# Altium PCB PCB2.PcbDoc
Units mm, origin at the board's own origin, x right, y up, seen from the top; angles counter-clockwise.
Board outline 98.1 x 71.2 mm, 2 copper layers (Top Layer, Bottom Layer); 76 components, 48 nets, 372 pads, 100 vias.
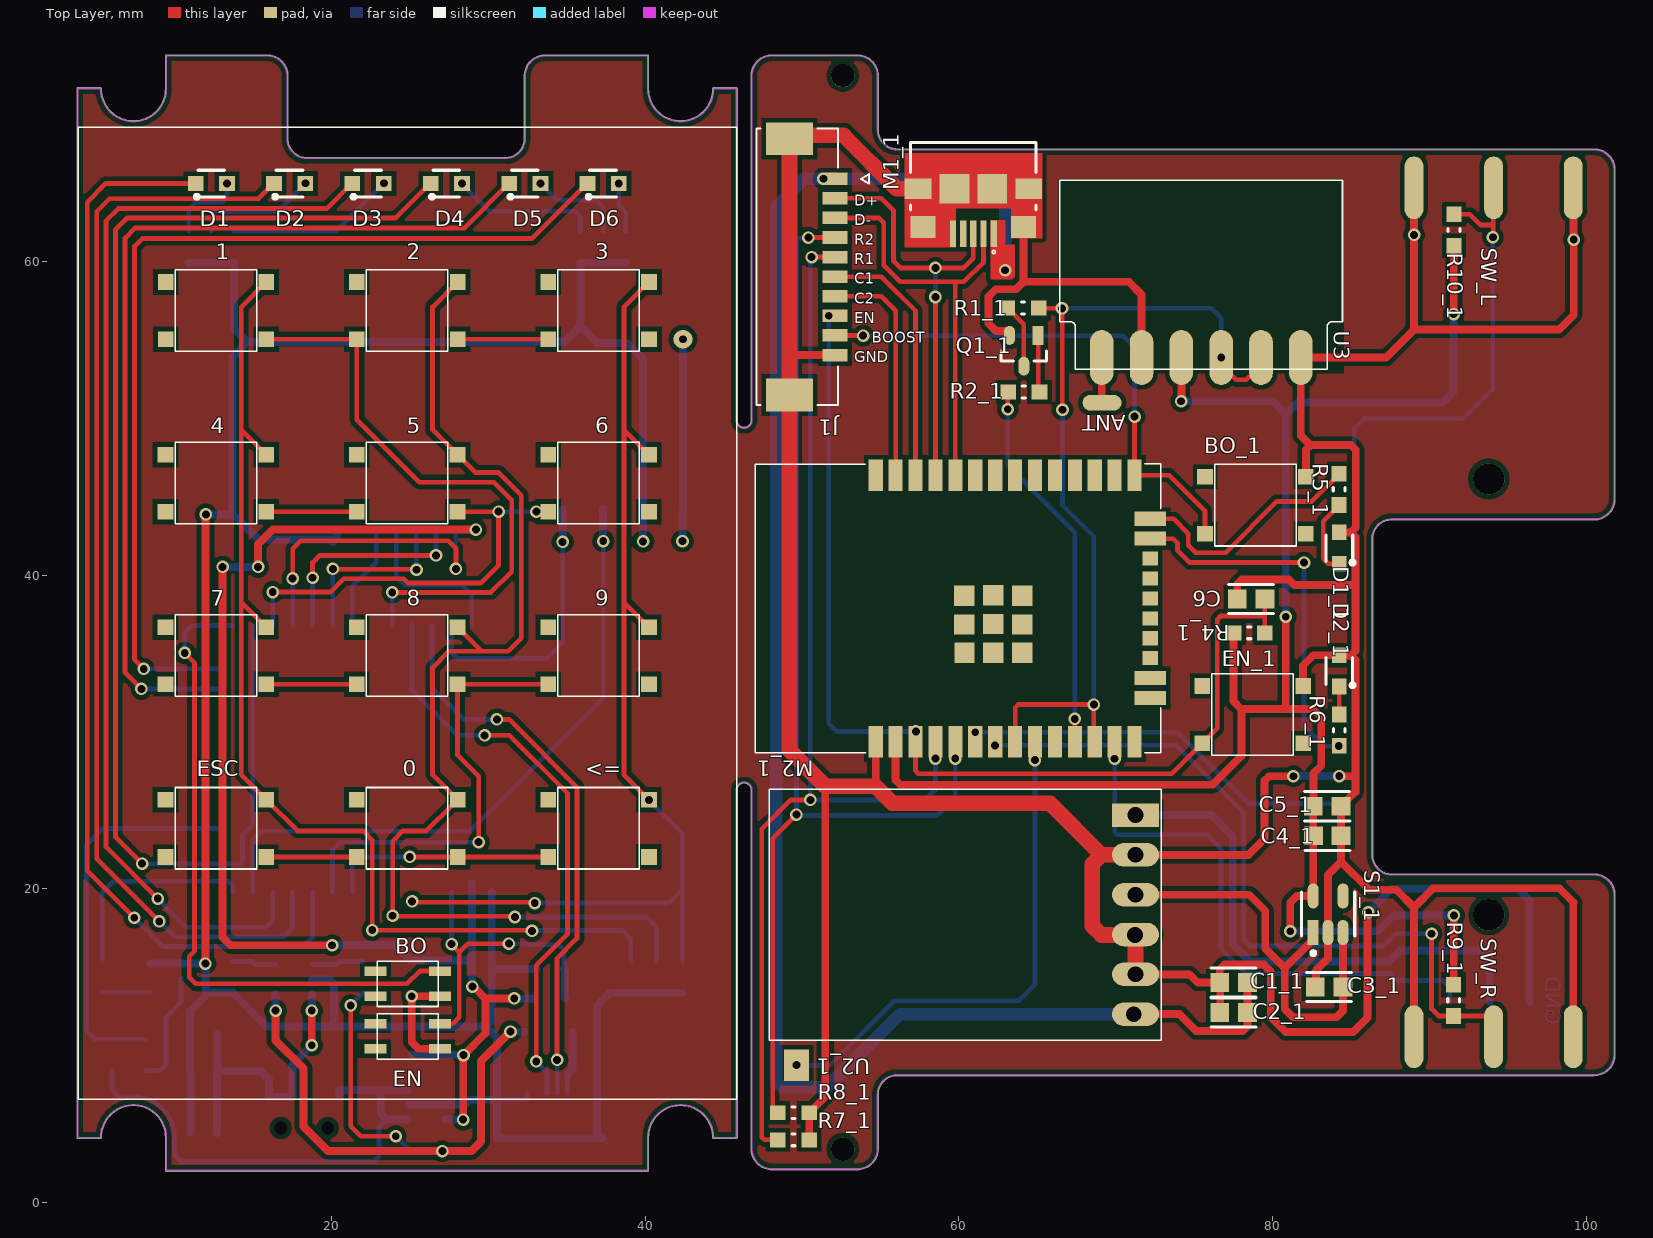
[diagram p0: Top Layer view]
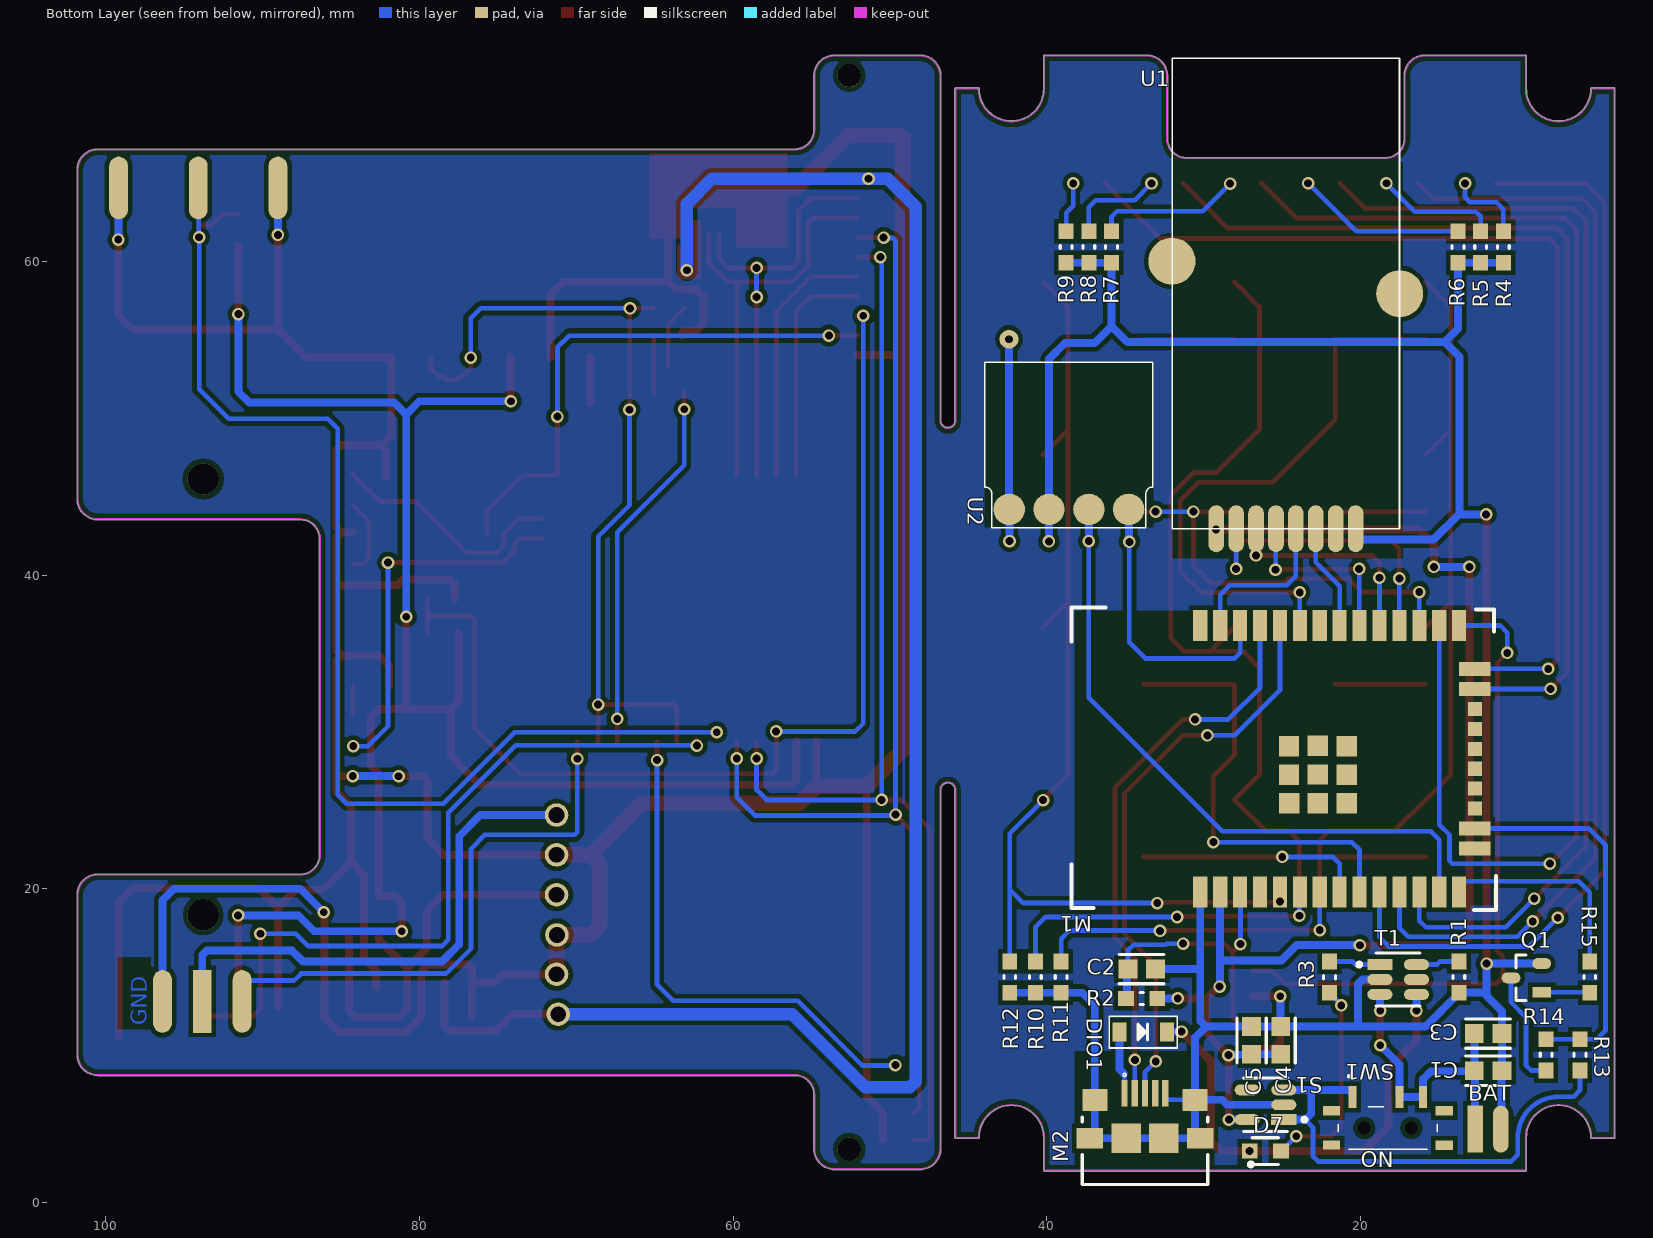
[diagram p1: Bottom Layer view, seen from below]
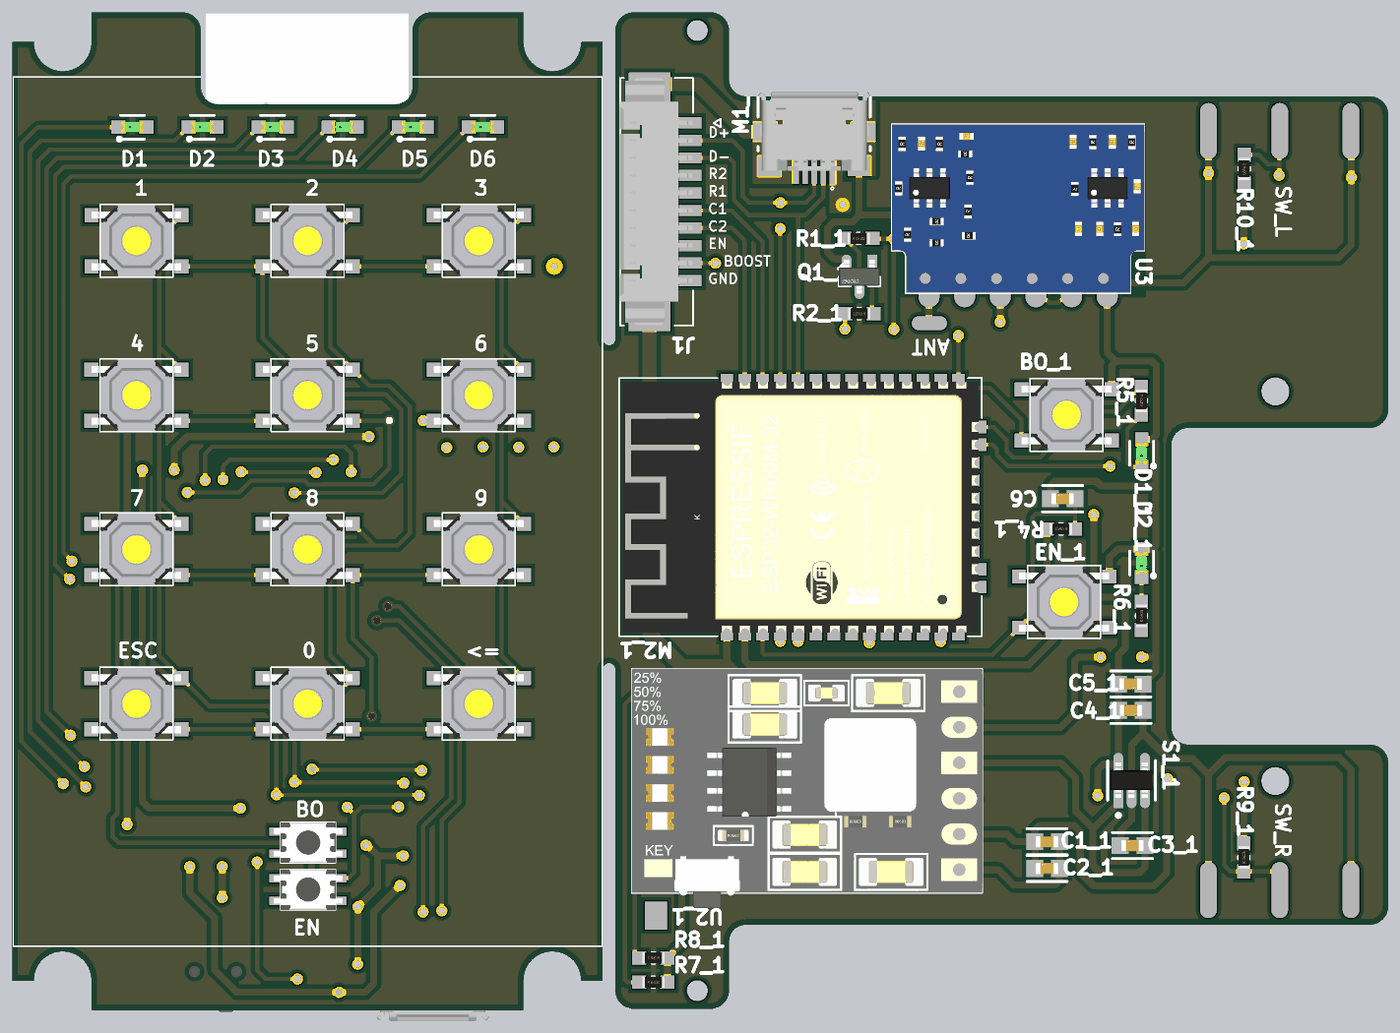
[diagram p2: 3D render of the assembled board from above, using the file's embedded part models]
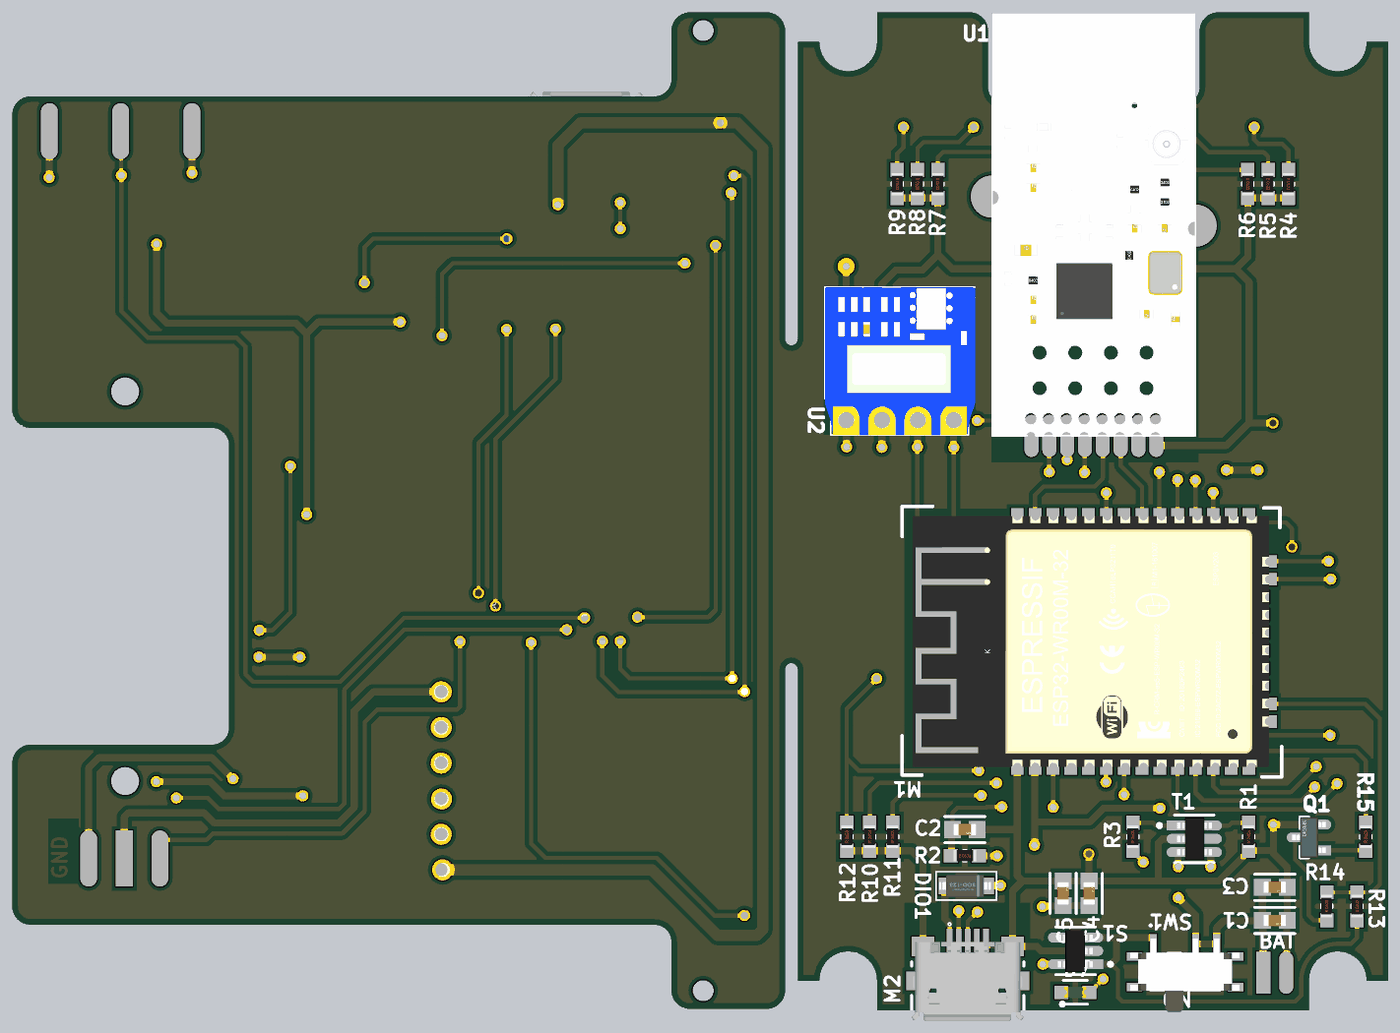
[diagram p3: 3D render of the assembled board from below, using the file's embedded part models]

## Layer stack, top to bottom
Top Solder: solder mask 0.0102, Solder Resist, Dk 3.5
Top Layer: signal copper 0.0356
Dielectric 1: dielectric 0.32, FR-4, Dk 4.8
Bottom Layer: signal copper 0.0356
Bottom Solder: solder mask 0.0102, Solder Resist, Dk 3.5

## Board outline
5.246,4.092 ccw(c5.246,4.142) 5.297,4.142 cw(c7.346,4.142) 9.396,4.142 9.396,2.042 ccw(c9.446,2.042) 9.446,1.992 40.146,1.992 ccw(c40.146,2.042) 40.197,2.042 40.197,4.142 cw(c42.246,4.142) 44.296,4.142 ccw(c44.346,4.142) 44.346,4.092 45.796,4.092 ccw(c45.796,4.142) 45.847,4.142 45.847,26.314 cw(c46.296,26.314) 46.746,26.314 46.746,3.417 ccw(c48.066,3.417) 48.066,2.097 53.526,2.097 ccw(c53.526,3.417) 54.847,3.417 54.847,6.877 cw(c56.066,6.877) 56.066,8.097 100.526,8.097 ccw(c100.526,9.417) 101.847,9.417 101.847,19.627 ccw(c100.526,19.627) 100.526,20.947 87.606,20.947 cw(c87.606,22.167) 86.387,22.167 86.387,42.327 cw(c87.606,42.327) 87.606,43.547 100.526,43.547 ccw(c100.526,44.867) 101.847,44.867 101.847,65.877 ccw(c100.526,65.877) 100.526,67.197 56.067,67.197 cw(c56.067,68.418) 54.847,68.417 54.847,71.872 ccw(c53.526,71.872) 53.526,73.192 48.066,73.192 ccw(c48.066,71.872) 46.746,71.872 46.746,49.886 cw(c46.296,49.886) 45.847,49.886 45.847,71.042 ccw(c45.796,71.042) 45.796,71.092 44.346,71.092 ccw(c44.346,71.042) 44.296,71.042 cw(c42.246,71.042) 40.197,71.042 40.197,73.142 ccw(c40.146,73.142) 40.146,73.192 33.604,73.192 ccw(c33.604,71.872) 32.284,71.872 32.284,67.869 cw(c31.064,67.869) 31.064,66.649 18.415,66.649 cw(c18.415,67.869) 17.195,67.869 17.195,71.872 ccw(c15.875,71.872) 15.875,73.192 9.446,73.192 ccw(c9.446,73.142) 9.396,73.142 9.396,71.042 cw(c7.346,71.042) 5.297,71.042 ccw(c5.246,71.042) 5.246,71.092 3.796,71.092 ccw(c3.796,71.042) 3.746,71.042 3.746,4.142 ccw(c3.796,4.142) 3.796,4.092

## Design rules (kind name [scope] priority, off if disabled: settings)
Clearance [All] p1: gap=0.3 ignorepadtopadclearanceinfootprint=FALSE
PolygonConnect [All] p1: connectstyle=Relief reliefconductorwidth=0.254 reliefentries=4 polygonreliefangle="90 Angle" airgapwidth=0.254
RoomDefinition Sheet2 [InComponentClass('Sheet2')] p1: confinementstyle=ConfineIn formatcopy=TRUE lockcomponents=FALSE outline 0,0 50.8,0 50.8,1.422 0,1.422
RoutingCorners [All] p1: cornerstyle=45-Degree minsetback=5 maxsetback=10
RoutingVias [All] p1: holewidth=0.5 width=0.8 viastyle="Through Hole" minholewidth=0.5 minwidth=0.8 maxholewidth=0.5 maxwidth=0.8
SolderMaskExpansion [All] p1: expansion=0.102 istentingtop=FALSE
Width [All] p1: maxlimit=0.8 minlimit=0.3 preferedwidth=0.5
29 further rules are at their usual default settings.

## Classes and differential pairs
component class Sheet2: 0 1 2 3 4 5 6 7 8 9 <= BO C1 C2 C3 C4 C5 D1 D3 D5 D7 DIO1 EN ESC M2 Q1 R1 R2 R3 R4 R5 R6 R7 R8 R9 R10 R11 R12 R13 R14 R15 S1 SW1 T1 U2

## Components (designator, comment, footprint, x,y, rotation, side; value= is the part's Value field where it differs from the comment)
0 "BUTTON" "BUTTON 4X4mm" 24.805,23.862 r0 top
1 "BUTTON" "BUTTON 4X4mm" 12.605,56.887 r0 top
2 "BUTTON" "BUTTON 4X4mm" 24.805,56.887 r0 top
3 "BUTTON" "BUTTON 4X4mm" 37.01,56.887 r0 top
4 "BUTTON" "BUTTON 4X4mm" 12.6,45.875 r0 top
5 "BUTTON" "BUTTON 4X4mm" 24.8,45.875 r0 top
6 "BUTTON" "BUTTON 4X4mm" 37.005,45.875 r0 top
7 "BUTTON" "BUTTON 4X4mm" 12.6,34.87 r0 top
8 "BUTTON" "BUTTON 4X4mm" 24.8,34.87 r0 top
9 "BUTTON" "BUTTON 4X4mm" 37.005,34.87 r0 top
<= "BUTTON" "BUTTON 4X4mm" 37.005,23.862 r0 top
BO "BUTTON" "BUTTON 3x4mm 4PIN" 24.836,13.919 r180 top
BO_1 "BUTTON" "BUTTON 4X4mm" 78.911,44.467 r0 top (schematic designator BO)
C1 "0.1uF" Cap_0603_A 11.836,8.407 r180 bottom
C1_1 "0.1uF" Cap_0603_A 77.521,14.022 r180 top (schematic designator C1)
C2 "10nF" Cap_0603_A 33.934,14.884 r180 bottom
C2_1 "10uF" Cap_0603_A 77.521,12.117 r180 top (schematic designator C2)
C3 "10uF" Cap_0603_A 11.836,10.77 r180 bottom
C3_1 "10uF" Cap_0603_A 83.611,13.747 r180 top (schematic designator C3)
C4 "0.1uF" Cap_0603_A 25.07,10.338 r90 bottom
C4_1 "0.1uF" Cap_0603_A 83.496,23.397 r0 top (schematic designator C4)
C5 "0.1uF" Cap_0603_A 26.924,10.338 r90 bottom
C5_1 "10uF" Cap_0603_A 83.486,25.27 r0 top (schematic designator C5)
C6 "0.1uF" Cap_0603_A 78.636,38.492 r180 top
D1 "Led" "LED 0603" 12.35,65.023 r0 top
D1_1 "Led" "LED 0603" 84.241,41.782 r90 top (schematic designator D1)
D2 "Led" "LED 0603" 17.35,65.023 r0 top
D2_1 "Led" "LED 0603" 84.238,33.95 r90 top (schematic designator D2)
D3 "Led" "LED 0603" 22.35,65.023 r0 top
D4 "Led" "LED 0603" 27.346,65.023 r0 top
D5 "Led" "LED 0603" 32.35,65.023 r0 top
D6 "Led" "LED 0603" 37.346,65.023 r0 top
D7 "Led" "LED 0603" 26.01,3.302 r180 bottom
DIO1 "Diode SMD" DIO-SMD-123 33.833,10.871 r0 bottom value=1N5007
EN "BUTTON" "BUTTON 3x4mm 4PIN" 24.836,10.566 r180 top
EN_1 "BUTTON" "BUTTON 4X4mm" 78.736,31.117 r0 top (schematic designator EN)
ESC "BUTTON" "BUTTON 4X4mm" 12.6,23.862 r0 top
J1 "Header 10P" "1.25mm Horizontal" 49.737,59.689 r270 top
M1 "ESP32" ESP32-WROOM-32D#1 24.936,28.303 r90 bottom
M1_1 "Micro-USB" "2.0 5 PIN SMD" 60.468,63.99 r180 top (schematic designator M1)
M2 "Micro-USB" "2.0 5 PIN SMD" 33.274,4.775 r180 bottom
M2_1 "ESP32" ESP32-WROOM-32D#2 59.953,37.897 r90 top (schematic designator M2)
Q1 "NPN" FP-SOT23-IPC_C 9.398,14.326 r0 bottom
Q1_1 "NPN" FP-SOT23-IPC_C 64.139,54.329 r270 top (schematic designator Q1)
R1 "1K6" Res_0603 13.691,14.406 r90 bottom
R1_1 "100k" Res_0603 64.113,57.047 r0 top (schematic designator R1)
R2 "200K" Res_0603 33.904,13.005 r180 bottom
R2_1 "100k" Res_0603 64.111,51.706 r180 top (schematic designator R2)
R3 "4K7" Res_0603 21.946,14.402 r90 bottom
R4 "4K7" Res_0603 10.875,60.914 r270 bottom
R4_1 "100K" Res_0603 78.486,36.342 r180 top (schematic designator R4)
R5 "4K7" Res_0603 12.323,60.914 r270 bottom
R5_1 "4K7" Res_0603 84.241,45.457 r270 top (schematic designator R5)
R6 "4K7" Res_0603 13.771,60.914 r270 bottom
R6_1 "4K7" Res_0603 84.266,30.157 r90 top (schematic designator R6)
R7 "4K7" Res_0603 35.869,60.914 r270 bottom
R7_1 "100K" Res_0603 49.483,3.986 r0 top (schematic designator R7)
R8 "4K7" Res_0603 37.317,60.914 r270 bottom
R8_1 "100K" Res_0603 49.483,5.714 r0 top (schematic designator R8)
R9 "4K7" Res_0603 38.765,60.914 r270 bottom
R9_1 "100K" Res_0603 91.565,12.927 r90 top (schematic designator R9)
R10 "200K" Res_0603 40.703,14.406 r90 bottom
R10_1 "100K" Res_0603 91.571,62 r270 top (schematic designator R10)
R11 "200K" Res_0603 39.065,14.406 r90 bottom
R12 "200K" Res_0603 42.342,14.406 r90 bottom
R13 "200K" Res_0603 5.969,9.449 r90 bottom
R14 "200K" Res_0603 8.128,9.449 r90 bottom
R15 "4k7" Res_0603 5.346,14.406 r90 bottom
S1 "SPX3819M5-L-3-3" FP-C04-091-OT-IPC_A 25.933,6.426 r0 bottom
S1_1 "SPX3819M5-L-3-3" FP-C04-091-OT-IPC_A 83.74,18.285 r90 top (schematic designator S1)
SW1 "SWITCH" MSK12C02 18.491,5.004 r180 bottom
T1 "TP4057" TP4057 16.628,14.656 r180 bottom
U1 "nRF24L01" "NRF24L01 + PA SMD" 23.704,60.026 r90 bottom
U2 "H34A" H34A 39.345,47.015 r180 bottom
U2_1 "MH-CD42 2.1A" "MH-CD42 2.1A SMD_1" 48.562,10.92 r0 top (schematic designator U2)
U3 "H3V4F" H3V4F 74.578,59.968 r0 top

## Footprints (in the part's own frame and the unit in brackets; to place one, negate y for a bottom-side part, rotate by r counter-clockwise, add the part's x,y. Pads: shape width x height; smd on the part's side, far side on the other; paste and mask are expansions set on the pad)
"1.25mm Horizontal" [mm] "1.25mm Horizontal SMD"
  rect 0.8x1.6 smd mask+0.076: 1(-5.615,2.35) 2(-4.365,2.35) 3(-3.115,2.35) 4(-1.865,2.35) 5(-0.615,2.35) 6(0.635,2.35) 7(1.885,2.35) 8(3.135,2.35) 9(4.385,2.35) 10(5.635,2.35)
  rect 2.1x3 smd mask+0.076: S1(-8.165,-0.55) S2(8.185,-0.55)
  silkscreen extent -8.81,-2.65 8.83,4.51, body extent -8.83,-2.7 8.82,2.5, height 3.5
"2.0 5 PIN SMD" [mm] "ID 1981568-1"
  rect 0.4x1.7 smd: 1(-1.751,2.198) 2(-1.101,2.198) 3(-0.451,2.198) 4(0.199,2.198) 5(0.849,2.198)
  rect 1.6x1.4 smd: 6(-3.651,1.773) 7(2.749,1.773)
  rect 1.7x1.3 smd: 8(-3.98,-0.68) 9(3.08,-0.68)
  rect 1.9x1.9 smd: 10(-1.651,-0.677) 11(0.749,-0.677)
  silkscreen extent -4.45,-3.63 3.55,3.46, body extent -4.46,-3.52 3.54,2.08, height 2.94
"BUTTON 3x4mm 4PIN" [mm]
  rect 1.4x0.6 smd: 1(-2.05,0.76) 2(-2.05,-0.84) 3(2.05,-0.84) 4(2.05,0.76)
  silkscreen extent -1.95,-1.48 1.95,1.42, body extent -2.46,-1.49 2.44,1.41, height 2
"BUTTON 4X4mm" [mm]
  rect 1x1 smd paste+0: 1(-3.21,1.83) 2(-3.21,-1.82) 3(3.22,-1.82) 4(3.22,1.83)
  silkscreen extent -2.6,-2.59 2.6,2.61, body extent -3.2,-2.55 3.2,2.55, height 1.5
Cap_0603_A [mm]
  rect 1.2x1.2 smd paste+0 mask+0: 1(-0.88,0) 2(0.88,0)
  silkscreen extent -1.43,-0.93 1.43,0.93, body extent -0.8,-0.41 0.8,0.4, height 0.9
DIO-SMD-123 [mm]
  rect 0.9x1.2 smd: 1(1.524,0) 2(-1.524,0)
  silkscreen extent -2.16,-1.02 2.16,1.02, body extent -1.76,-0.8 1.94,0.8, height 1.25
ESP32-WROOM-32D#1 [mm]
  rect 2x0.9 smd: 1(-8.5,5.26) 1(-8.5,5.26) 2(-8.5,3.99) 3(-8.5,2.72) 4(-8.5,1.45) 5(-8.5,0.18) 6(-8.5,-1.09) 7(-8.5,-2.36) 8(-8.5,-3.63) 9(-8.5,-4.9) 10(-8.5,-6.17) 11(-8.5,-7.44) 12(-8.5,-8.71) 13(-8.5,-9.98) 14(-8.5,-11.25) 25(8.5,-11.25) 25(8.5,-11.25) 26(8.5,-9.98) 27(8.5,-8.71) 28(8.5,-7.44) 29(8.5,-6.17) 30(8.5,-4.9) 31(8.5,-3.63) 32(8.5,-2.36) 33(8.5,-1.09) 34(8.5,0.18) 35(8.5,1.45) 36(8.5,2.72) 37(8.5,3.99) 38(8.5,5.26)
  rect 0.9x2 smd: 15(-5.715,-12.25) 15(-5.715,-12.25) 16(-4.445,-12.25) 23(4.445,-12.25) 24(5.715,-12.25)
  rect 0.9x0.9 smd: 17(-3.175,-12.25) 18(-1.905,-12.25) 19(-0.635,-12.25) 20(0.635,-12.25) 21(1.905,-12.25) 22(3.175,-12.25)
  rect 1.3x1.3 smd: 39(-2.835,-4.075) 39(-2.835,-2.24) 39(-2.835,-0.405) 39(-1.03,-4.083) 39(-1.03,-0.397) 39(-1,-2.24) 39(0.805,-4.083) 39(0.805,-0.397) 39(0.835,-2.24)
  silkscreen extent -9.65,-13.59 9.65,13.46, body extent -8.95,-12.7 8.95,12.7, height 2.61
ESP32-WROOM-32D#2 [mm]
  rect 2x0.9 smd: 1(-8.5,5.26) 1(-8.5,5.26) 2(-8.5,3.99) 3(-8.5,2.72) 4(-8.5,1.45) 5(-8.5,0.18) 6(-8.5,-1.09) 7(-8.5,-2.36) 8(-8.5,-3.63) 9(-8.5,-4.9) 10(-8.5,-6.17) 11(-8.5,-7.44) 12(-8.5,-8.71) 13(-8.5,-9.98) 14(-8.5,-11.25) 25(8.5,-11.25) 25(8.5,-11.25) 26(8.5,-9.98) 27(8.5,-8.71) 28(8.5,-7.44) 29(8.5,-6.17) 30(8.5,-4.9) 31(8.5,-3.63) 32(8.5,-2.36) 33(8.5,-1.09) 34(8.5,0.18) 35(8.5,1.45) 36(8.5,2.72) 37(8.5,3.99) 38(8.5,5.26)
  rect 0.9x2 smd: 15(-5.715,-12.25) 15(-5.715,-12.25) 16(-4.445,-12.25) 23(4.445,-12.25) 24(5.715,-12.25)
  rect 0.9x1 smd: 17(-3.175,-12.25) 18(-1.905,-12.25) 19(-0.635,-12.25) 20(0.635,-12.25) 21(1.905,-12.25) 22(3.175,-12.25)
  rect 1.3x1.3 smd: 39(-2.835,-2.24) 39(-2.835,-0.405) 39(-2.835,-4.075) 39(-1.03,-0.397) 39(-1.03,-4.083) 39(-1,-2.24) 39(0.805,-0.397) 39(0.805,-4.083) 39(0.835,-2.24)
  silkscreen extent -9.22,-12.92 9.22,12.94, body extent -8.95,-12.7 8.95,12.7, height 2.61
FP-C04-091-OT-IPC_A [mm]
  rect 1.6x0.7 smd paste+0 mask+0: 1(-1.062,1.143)
  rrect100% 1.6x0.7 smd paste+0 mask+0: 2(-1.062,0.193) 3(-1.062,-0.757) 4(1.27,-0.757) 5(1.27,1.143)
  silkscreen extent -2.51,-1.51 1.5,1.89, body extent -1.12,-1.3 1.38,1.7, height 1.05
FP-SOT23-IPC_C [mm]
  rect 1.2x0.7 smd paste+0 mask+0: 1(-0.977,0.915)
  rrect100% 1.2x0.7 smd paste+0 mask+0: 2(-0.977,-0.915) 3(0.98,0)
  silkscreen extent 0.03,-1.45 0.65,1.45, body extent -1.2,-1.45 1.2,1.45, height 1.1
H3V4F [mm]
  oval 1.5x3.5 smd: 1(7.23,-6.07) 2(4.69,-6.07) 3(2.15,-6.07) 4(-0.39,-6.07) 5(-2.93,-6.07) 6(-5.47,-6.07)
  silkscreen extent -8.14,-6.83 9.89,5.25, body extent -8.1,-6.76 9.9,5.24, height 2.75
H34A [mm]
  round 2 smd: 1(-3.04,-2.8) 2(-0.5,-2.8) 3(2.04,-2.8) 4(4.58,-2.8)
  silkscreen extent -4.59,-3.98 6.11,6.57, body extent -4.56,-3.99 6.14,6.56, height 3.01
"LED 0603" [mm]
  rect 1x0.95 smd: 1(-1.04,-0.02) 2(0.96,-0.02)
  silkscreen extent -1.08,-0.99 0.8,0.82, body extent -1.29,-0.57 1.21,0.53, height 0.25
"MH-CD42 2.1A SMD_1" [mm]
  rect 3x1.5 smd: 1(22.699,13.792)
  oval 3x1.5 smd: 2(22.699,11.252) 3(22.699,8.712) 4(22.699,6.172) 5(22.699,3.632) 6(22.699,1.092)
  rect 1.6x2 smd: 7(1.08,-2.16)
  silkscreen extent -0.66,-0.56 24.34,15.44, body extent -0.65,-1.64 24.35,15.46, height 4.42
MSK12C02 [mm]
  rect 0.5x1.4 smd: A1(-1.99,1.72) B1(1.01,1.72) C1(2.51,1.72)
  round 0.425 hole 0.8 unplated: MH1(-1.246,-0.254) MH2(1.754,-0.254)
  rect 1.1x0.6 smd: MP1(3.86,0.84) MP2(3.86,-1.35) MP3(-3.34,-1.34) MP4(-3.34,0.84)
  silkscreen extent -2.9,-1.6 3.4,3.1, body extent -3.65,-3.1 4.15,2.1, height 1.5
"NRF24L01 + PA SMD" [mm]
  oval 3x1 smd paste+0: 1(-17.05,5.475) 1(-17.05,5.475) 2(-17.05,-3.415) 3(-17.05,4.205) 4(-17.05,2.935) 5(-17.05,1.665) 6(-17.05,0.395) 7(-17.05,-0.875) 8(-17.05,-2.145)
  round 3 smd paste+0: 9(0.02,8.3) 10(-2.05,-6.225)
  silkscreen extent -17.04,-6.21 12.96,8.29, body extent -17.13,-6.19 13.1,8.29, height 1.75
Res_0603 [mm]
  rect 1x0.95 smd: 1(-1.03,0.01) 2(0.97,0.01)
  silkscreen extent -0.13,-0.37 0.07,0.39, body extent -0.82,-0.39 0.78,0.41, height 0.45
TP4057 [mm]
  rect 1.6x0.7 smd paste+0 mask+0: 1(-2.112,0.518)
  rrect100% 1.6x0.7 smd paste+0 mask+0: 2(-2.112,-0.432) 3(-2.112,-1.382) 4(0.22,-1.382) 5(0.22,-0.432) 6(0.22,0.518)
  silkscreen extent -3.56,-2.13 0.45,1.27, body extent -2.17,-1.92 0.33,1.08, height 1.05

## Part data
0 1 2 3 4 5 6 7 8 9 <= BO BO_1 EN EN_1 ESC: library part "BUTTON 4 PIN", Case/Package=SOIC, Frequency=100kHz, High Level Output Current=-200mA, Low Level Output Current=200mA, Max Operating Temperature=70°C, Max Supply Voltage=16V, Min Operating Temperature=0°C, Min Supply Voltage=4.5V, Operating Supply Current=10mA, Package Quantity=2500, Quiescent Current=15mA, Contact Plating=Gold, Height=1.58mm, Lead Free="Lead Free", Length=4.9mm, Mount="Surface Mount", Number of Pins=8, Number of Timers/Counters=1, Packaging="Tape and Reel", Radiation Hardening=No, REACH SVHC="No SVHC", Weight=0.002561oz, Width=3.91mm
C1 C1_1 C2 C2_1 C3 C3_1 C4 C4_1 C5 C5_1 C6: library part Capacitor, "General Purpose Ceramic Capacitor, 0603, 1nF, 10%, X7R, 15%, 50V", Capacitance=1nF, Case Code (Imperial)=0603, Case Code (Metric)=1608, Dielectric=X7R, Dielectric Material=Ceramic, Max Operating Temperature=125°C, Min Operating Temperature=-55°C, Package Quantity=4000, Tolerance=10%, Voltage=50V, Case/Package=0603, Construction=Flat, Contact Plating=Tin, Depth=0.81mm, Height=0.9mm, Lead Free="Lead Free", Length=1.6mm, Mount="Surface Mount", Number of Pins=2, Packaging="Tape and Reel", Radiation Hardening=No, REACH SVHC="No SVHC", RoHS Compliant=Yes, Series=-, Termination=SMD/SMT, Thickness=0.035inch, Voltage Rating=50V, Voltage Rating (DC)=50V, Weight=7.1E-05oz, Width=0.032inch
DIO1: "Default Diode", Code - JEDEC=DO-214-AB, Published=8-Jun-2000, Publisher="Altium Limited", Revision="July-2002: Re-released for DXP Platform."
R1 R1_1 R2 R2_1 R3 R4 R4_1 R5 R5_1 R6 R6_1 R7 R7_1 R8 R8_1 R9 R9_1 R10 R10_1 R11 R12 R13 R14 R15: library part Resistor
S1: "Regulator 250mA"
S1_1: "LINER TO 3.3V SOT23-5", Case/Package=SOT-23, Max Charge Current=500mA, Max Operating Temperature=85°C, Max Output Voltage=4.232V, Max Supply Voltage=6V, Min Operating Temperature=-40°C, Min Output Voltage=4.168V, Min Supply Voltage=3.75V, Output Voltage=4.2V, Package Quantity=3000, Height=1.3mm, Lead Free="Lead Free", Length=3.1mm, Max Output Current=500mA, Mount="Surface Mount", Number of Cells=1, Number of Pins=5, Output Current=500mA, Packaging="Tape and Reel", REACH SVHC="No SVHC", Width=1.8mm